# Allegro board 1155001-Timing_board_V3_20241024_1805_pcb.brd (continued)
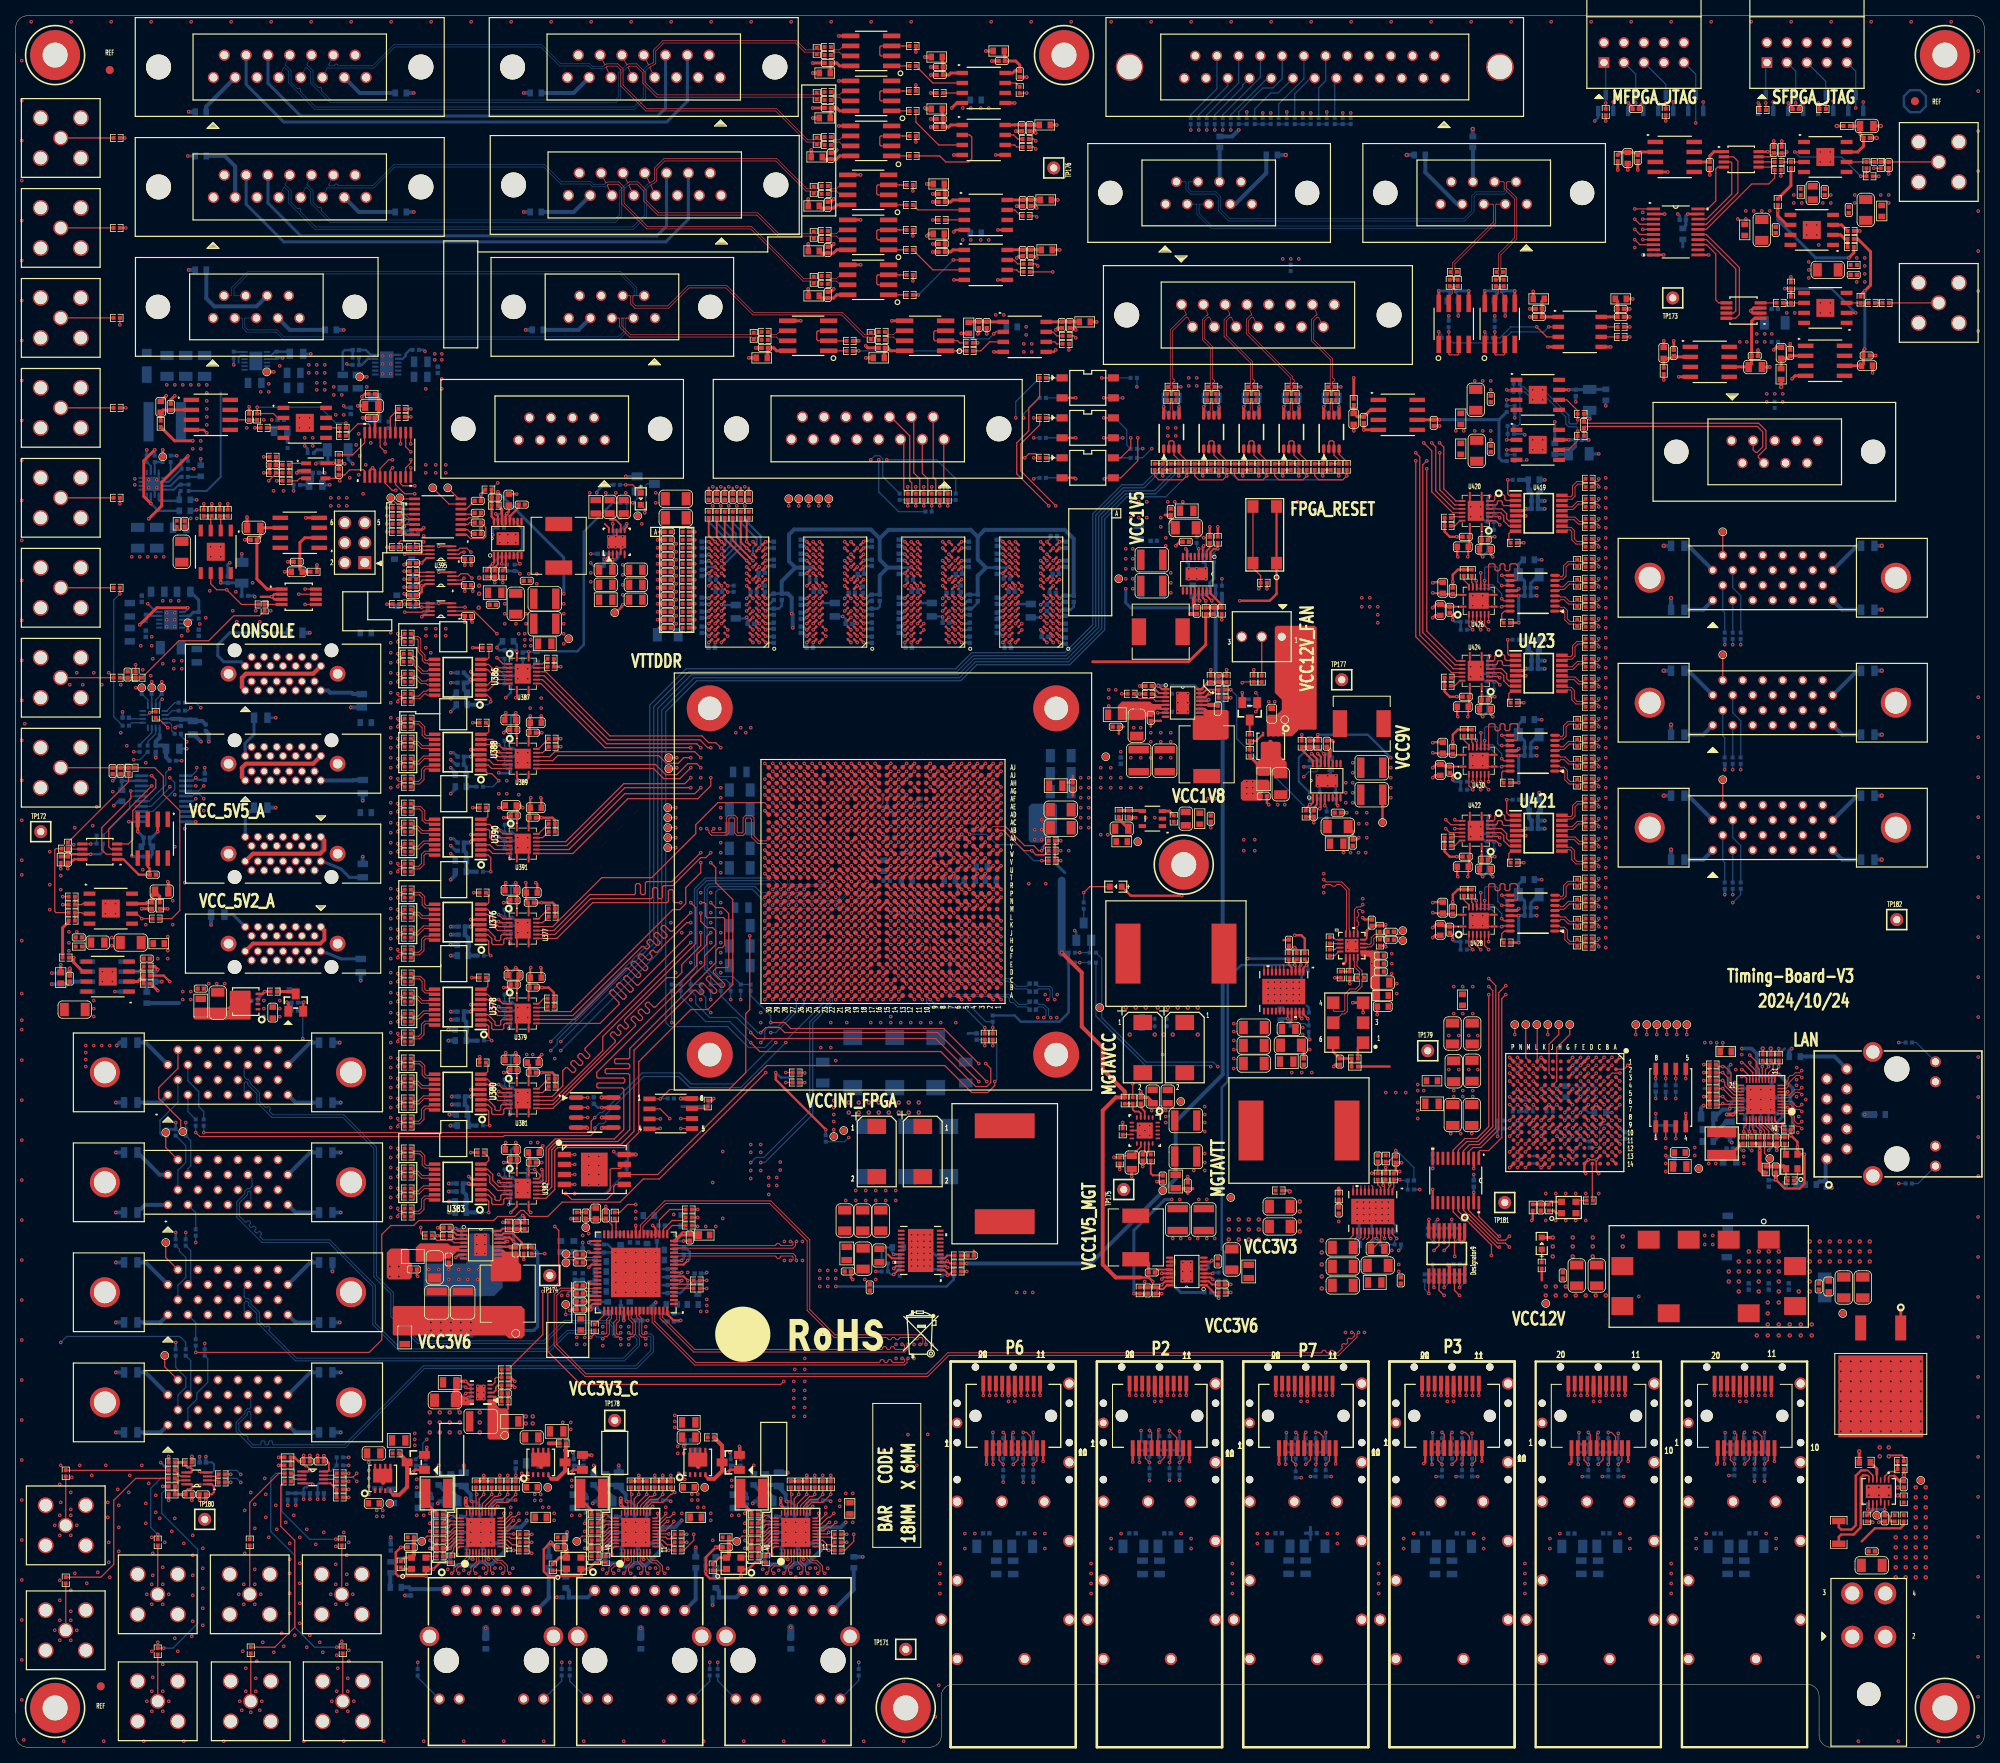
[diagram p0: board, top side]
## Routing (per net, layer and track width the routed paths; a pad name or vN(x,y) marks a point on that pad's centre or on a via; arc(x,y) is an arc through that point) (continued)
N23571891: length 4.3
  TOP w0.305: R2761.2 49.35,24.09 U375.4
  TOP w0.508: L426.1 C2864.1 50.57,24.4 U375.4
N23572053: length 1.4
  TOP w0.305: U375.1 49.09,22.64 R2761.1
N23572119: length 1.4
  TOP w0.157: U375.3 52.27,24.26 R2762.1
N23774745: length 3.9
  TOP w0.157: v1(60.33,100.58) 60.07,100.84 60.07,102.4 59.91,102.56 U376.1
  BOTTOM w0.157: R2876.2 v1(60.33,100.58)
N23774747: length 4.8
  TOP w0.122: U376.15 52.67,103.21 52.51,103.05 51.91,103.05 51.52,102.66 51.52,101.37 51.15,101 50.53,101 R2877.1
N23774819: length 2.5
  TOP w0.157: R2873.2 60.07,108.22 60.07,107.31 59.87,107.11 U376.8
N23774821: length 4.8
  TOP w0.122: R2878.1 50.53,100.67 51.29,100.67 51.85,101.23 51.85,102.52 52.05,102.72 52.47,102.72 52.63,102.56 U376.16
N23774825: length 3.5
  TOP w0.157: v1(61.34,105.79) 61.87,105.26 U377.2
  BOTTOM w0.157: v1(61.34,105.79) 61.7,105.79 R2884.1 R2874.1
N23774827: length 3.3
  TOP w0.157: U377.3 61.48,104.77 v1(61.34,104.9)
  BOTTOM w0.157: v1(61.34,104.9) 61.58,104.9 R2887.1 R2875.1
N23774855: length 3.6
  TOP w0.122: R2879.1 50.53,103.21 51.1,103.21 51.91,104.02 52.44,104.02 52.6,103.86 U376.14
N23774882: length 3.6
  TOP w0.122: R2880.1 50.53,103.54 50.97,103.54 51.77,104.35 52.54,104.35 52.7,104.51 U376.13
N23774946: length 3.4
  TOP w0.122: U376.11 52.6,105.81 52.44,105.65 51.66,105.65 51.23,106.08 50.53,106.08 R2881.1
N23774966: length 3.4
  TOP w0.122: U376.12 52.62,105.16 52.46,105.32 51.52,105.32 51.09,105.75 50.53,105.75 R2882.1
N23775041: length 2.1
  TOP w0.157: R2883.1 66.38,105.26 U377.15
N23775087: length 1.9
  TOP w0.157: U377.14 66.9,104.77 R2886.1
N23775717: length 3.8
  TOP w0.157: v1(60.2,78.99) 60.07,79.12 60.07,80.81 59.91,80.97 U380.1
  BOTTOM w0.157: R2905.2 v1(60.2,78.99)
N23775743: length 2.2
  TOP w0.157: U380.8 59.61,85.52 59.94,85.85 59.94,86.76 R2907.2
N23776190: length 3.5
  TOP w0.157: U381.2 61.87,83.67 v1(61.34,84.2)
  BOTTOM w0.157: v1(61.34,84.2) 61.7,84.2 R2918.1 R2915.1
N23776192: length 3.3
  TOP w0.157: U381.3 61.48,83.18 v1(61.34,83.31)
  BOTTOM w0.157: v1(61.34,83.31) 61.58,83.31 R2920.1 R2916.1
N23776318: length 2.1
  TOP w0.157: R2917.1 66.38,83.67 U381.15
N23776347: length 1.9
  TOP w0.157: U381.14 66.9,83.18 R2919.1
N23776905: length 3.4
  TOP w0.157: v1(60.07,67.94) 60.07,69.38 59.91,69.54 U383.1
  BOTTOM w0.157: R2925.2 v1(60.07,67.94)
N23776910: length 2.5
  TOP w0.157: U383.8 59.61,74.09 60.07,74.55 60.07,74.95 R2924.2
N23776913: length 3.5
  TOP w0.157: U382.2 61.87,72.24 v1(61.34,72.77)
  BOTTOM w0.157: R2921.1 R2923.1 61.72,72.39 v1(61.34,72.77)
N23776914: length 3.3
  TOP w0.157: U382.3 61.48,71.75 v1(61.34,71.88)
  BOTTOM w0.157: R2922.1 R2926.1 61.85,71.37 v1(61.34,71.88)
N23776943: length 2.7
  TOP w0.157: U382.15 66.38,72.24 66.6,72.46 66.6,72.72 v1(65.91,73.41)
  BOTTOM w0.157: R2927.1 65.89,73.43 v1(65.91,73.41)
N23776952: length 3.1
  TOP w0.157: v1(66.8,73.41) 66.95,73.25 66.95,72.03 66.66,71.75 U382.14
  BOTTOM w0.157: R2929.1 v1(66.8,73.41)
N23781685: length 3.1
  TOP w0.157: v1(60.33,132.84) 60.33,133.22 59.87,133.68 U386.1
  BOTTOM w0.157: R2955.2 59.94,132.46 v1(60.33,132.84)
N23781690: length 2.4
  TOP w0.157: R2954.2 60.09,138.45 59.87,138.23 U386.8
N23781693: length 4.1
  TOP w0.157: v1(61.11,138.43) 61.89,137.65 U387.2
  BOTTOM w0.157: R2963.1 R2958.1 61.96,138.43 v1(61.11,138.43)
N23781694: length 4
  TOP w0.157: U387.3 v1(61.11,137.15)
  BOTTOM w0.157: v1(61.11,137.15) 62.08,136.17 R2966.1 R2953.1
N23781723: length 1.7
  TOP w0.157: U387.15 66.89,137.65 R2967.1
N23781732: length 1.5
  TOP w0.157: R2965.1 67.41,137.15 U387.14
N23781751: length 5.2
  TOP w0.157: U388.1 59.49,124.15 59.94,123.7 60.45,123.7 v1(61.34,122.81)
  BOTTOM w0.157: R2969.2 60.58,122.05 v1(61.34,122.81)
N23781756: length 2.4
  TOP w0.157: U388.8 59.74,128.7 60.07,129.03 60.07,129.81 R2971.2
N23781795: length 3.5
  TOP w0.157: v1(61.34,127.38) 61.87,126.85 U389.2
  BOTTOM w0.157: R2977.1 R2983.1 61.85,126.87 v1(61.34,127.38)
N23781796: length 3.4
  TOP w0.157: v1(61.34,126.49) 61.48,126.36 U389.3
  BOTTOM w0.157: R2978.1 R2984.1 61.98,125.86 v1(61.34,126.49)
N23781813: length 2.1
  TOP w0.157: R2982.1 66.38,126.85 U389.15
N23781823: length 1.9
  TOP w0.157: U389.14 66.9,126.36 R2981.1
N23781828: length 4.2
  TOP w0.157: v1(60.33,111.25) 60.33,113.03 60,113.36 U390.1
  BOTTOM w0.157: v1(60.33,111.25) R2987.2
N23781833: length 2.2
  TOP w0.157: U390.8 59.61,117.91 59.94,118.24 59.94,119.15 R2986.2
N23781901: length 3.5
  TOP w0.157: U391.2 61.87,116.06 v1(61.34,116.59)
  BOTTOM w0.157: R2995.1 R3000.1 61.7,116.59 v1(61.34,116.59)
N23781902: length 3.3
  TOP w0.157: v1(61.34,115.7) 61.48,115.56 U391.3
  BOTTOM w0.157: R2996.1 R2999.1 61.85,115.19 v1(61.34,115.7)
N23781927: length 2.1
  TOP w0.157: U391.15 66.38,116.06 R2998.1
N23781934: length 1.9
  TOP w0.157: U391.14 66.9,115.56 R2997.1
N23784228: length 3.5
  TOP w0.122: R2956.1 50.18,133.71 50.34,133.55 51.17,133.55 51.79,134.17 52.11,134.17 52.27,134.33 U386.15
N23784248: length 3.5
  TOP w0.122: R2957.1 50.57,133.22 51.31,133.22 51.92,133.84 52.11,133.84 52.27,133.68 U386.16
N23784268: length 3.5
  TOP w0.122: R2959.1 50.57,135.76 50.84,135.76 51.47,135.14 52.11,135.14 52.27,134.98 U386.14
N23784288: length 3.5
  TOP w0.122: R2960.1 50.18,136.25 50.34,136.09 50.98,136.09 51.6,135.47 52.11,135.47 52.27,135.63 U386.13
N23784308: length 4.6
  TOP w0.122: U386.11 52.47,136.93 52.27,136.73 51.74,136.73 51,137.46 51,138.25 50.68,138.57 50.42,138.57 R2961.1
N23784328: length 4.6
  TOP w0.122: R2962.1 50.06,138.07 50.23,138.24 50.54,138.24 50.67,138.12 50.67,137.33 51.6,136.4 52.45,136.4 52.57,136.28 U386.12
N23784348: length 5.7
  TOP w0.122: U386.10 52.47,137.58 52.28,137.76 51.95,137.76 51.64,138.07 51.64,138.65 51.1,139.18 51.1,140.68 50.98,140.8 50.53,140.8 R2964.1
N23784368: length 5.7
  TOP w0.122: R2968.1 50.53,141.14 51.12,141.14 51.44,140.82 51.44,139.32 51.97,138.79 51.97,138.21 52.09,138.09 52.31,138.09 52.45,138.23 U386.9
N23785830: length 4.7
  TOP w0.122: R2970.1 50.53,122.72 51.15,122.72 51.52,123.09 51.52,124.25 51.91,124.64 52.51,124.64 52.67,124.8 U388.15
N23785850: length 4.7
  TOP w0.122: R2972.1 50.53,122.39 51.29,122.39 51.85,122.95 51.85,124.11 52.05,124.31 52.47,124.31 52.63,124.15 U388.16
N23785870: length 3.5
  TOP w0.122: U388.14 52.6,125.45 52.44,125.61 51.91,125.61 51.23,124.93 50.53,124.93 R2973.1
N23785890: length 3.5
  TOP w0.122: R2974.1 50.53,125.26 51.09,125.26 51.77,125.94 52.54,125.94 52.7,126.1 U388.13
N23785910: length 3.5
  TOP w0.122: R2975.1 50.53,127.8 51.1,127.8 51.66,127.24 52.44,127.24 52.6,127.4 U388.11
N23785930: length 3.5
  TOP w0.122: U388.12 52.62,126.75 52.46,126.91 51.52,126.91 50.97,127.47 50.53,127.47 R2976.1
N23785950: length 4.5
  TOP w0.122: R2979.1 50.53,130.01 51.13,130.01 51.61,129.53 51.61,128.6 52,128.21 52.51,128.21 52.67,128.05 U388.10
N23785970: length 4.5
  TOP w0.122: U388.9 52.63,128.7 52.47,128.54 52.14,128.54 51.94,128.74 51.94,129.67 51.27,130.34 50.53,130.34 R2980.1
N23786150: length 4.7
  TOP w0.122: R2985.1 50.53,111.93 51.15,111.93 51.52,112.29 51.52,113.46 51.91,113.85 52.51,113.85 52.67,114.01 U390.15
N23786170: length 4.7
  TOP w0.122: R2988.1 50.53,111.59 51.29,111.59 51.85,112.16 51.85,113.32 52.05,113.52 52.47,113.52 52.63,113.36 U390.16
N23786190: length 3.5
  TOP w0.122: U390.14 52.6,114.66 52.44,114.82 51.91,114.82 51.23,114.13 50.53,114.13 R2989.1
N23786210: length 3.5
  TOP w0.122: U390.13 52.7,115.31 52.54,115.15 51.77,115.15 51.09,114.47 50.53,114.47 R2990.1
N23786230: length 3.5
  TOP w0.122: R2991.1 50.53,117.01 51.1,117.01 51.66,116.45 52.44,116.45 52.6,116.61 U390.11
N23786250: length 3.5
  TOP w0.122: R2992.1 50.53,116.67 50.97,116.67 51.52,116.12 52.46,116.12 52.62,115.96 U390.12
N23786270: length 4.6
  TOP w0.122: U390.10 52.67,117.26 52.51,117.42 52,117.42 51.61,117.81 51.61,118.87 51.27,119.21 50.53,119.21 R2993.1
N23786290: length 4.6
  TOP w0.122: R2994.1 50.53,119.55 51.41,119.55 51.94,119.01 51.94,117.94 52.14,117.75 52.47,117.75 52.63,117.91 U390.9
N23999473: length 4.5
  TOP w0.122: U376.10 52.67,106.46 52.51,106.62 52,106.62 51.61,107.01 51.61,107.95 51.27,108.29 50.53,108.29 R2890.1
N23999493: length 4.5
  TOP w0.122: U376.9 52.63,107.11 52.47,106.95 52.14,106.95 51.94,107.15 51.94,108.09 51.41,108.62 50.53,108.62 R2892.1
N24000382: length 4.7
  TOP w0.122: U380.15 52.67,81.62 52.51,81.46 51.91,81.46 51.52,81.07 51.52,79.91 51.15,79.54 50.53,79.54 R2911.1
N24000402: length 4.7
  TOP w0.122: R2912.1 50.53,79.21 51.29,79.21 51.85,79.77 51.85,80.93 52.05,81.13 52.47,81.13 52.63,80.97 U380.16
N24000422: length 3.5
  TOP w0.122: R2913.1 50.53,81.75 51.23,81.75 51.91,82.43 52.44,82.43 52.6,82.27 U380.14
N24000442: length 3.5
  TOP w0.122: R2914.1 50.53,82.08 51.09,82.08 51.77,82.76 52.54,82.76 52.7,82.92 U380.13
N24000792: length 3.5
  TOP w0.122: U380.11 52.6,84.22 52.44,84.06 51.66,84.06 51.1,84.62 50.53,84.62 R2928.1
N24000812: length 3.5
  TOP w0.122: U380.12 52.62,83.57 52.46,83.73 51.52,83.73 50.97,84.29 50.53,84.29 R2930.1
N24000832: length 4.6
  TOP w0.122: R2933.1 50.53,86.83 51.27,86.83 51.61,86.49 51.61,85.42 52,85.03 52.51,85.03 52.67,84.87 U380.10
N24000852: length 4.6
  TOP w0.122: R2934.1 50.53,87.16 51.41,87.16 51.94,86.62 51.94,85.56 52.14,85.36 52.47,85.36 52.63,85.52 U380.9
N24000994: length 4.7
  TOP w0.122: R2935.1 50.53,68.11 51.15,68.11 51.52,68.48 51.52,69.64 51.91,70.03 52.51,70.03 52.67,70.19 U383.15
N24001014: length 4.7
  TOP w0.122: U383.16 52.63,69.54 52.47,69.7 52.05,69.7 51.85,69.5 51.85,68.34 51.29,67.78 50.53,67.78 R2936.1
N24001309: length 3.5
  TOP w0.122: R2939.1 50.53,70.32 51.23,70.32 51.91,71 52.44,71 52.6,70.84 U383.14
N24001329: length 3.5
  TOP w0.122: U383.13 52.7,71.49 52.54,71.33 51.77,71.33 51.09,70.65 50.53,70.65 R2941.1
N24001349: length 3.5
  TOP w0.122: R2947.1 50.53,73.19 51.1,73.19 51.66,72.63 52.44,72.63 52.6,72.79 U383.11
N24001369: length 3.5
  TOP w0.122: U383.12 52.62,72.14 52.46,72.3 51.52,72.3 50.97,72.86 50.53,72.86 R2948.1
N24001389: length 4.6
  TOP w0.122: R2951.1 50.53,75.4 51.27,75.4 51.61,75.06 51.61,73.99 52,73.6 52.51,73.6 52.67,73.44 U383.10
N24001409: length 4.6
  TOP w0.122: R2952.1 50.53,75.73 51.41,75.73 51.94,75.19 51.94,74.13 52.14,73.93 52.47,73.93 52.63,74.09 U383.9
N24069995: length 0.9
  TOP w0.381: TP86.1 v1(32.77,174.75)
N24070041: length 1.4
  BOTTOM w0.229: U239.6 27.72,177.27 R1894.1
N24347278: length 2.8
  TOP w0.157: U318.5 v1(9.53,114.77)
  BOTTOM w0.157: v1(9.53,114.77) 9.57,114.81 R3023.2 R3024.2
N24830320: length 2.3
  TOP w0.254: v1(51.56,143.64) 51.78,143.85 U396.8
  BOTTOM w0.381: C2950.1 52.32,144.4 v1(51.56,143.64)
N24830398: length 4.7
  TOP w0.157: U396.5 51.37,145.35 51.26,145.24 R3031.2 50.84,145.61 50.66,145.8 49.24,145.8 R3032.2
N24830787: length 2.8
  TOP w0.254: U395.8 52.03,147.79 51.82,147.57 v1(51.56,147.57)
  TOP w0.305: v1(51.56,147.57) 51.56,146.81 51.13,146.38 C2948.1
N24830879: length 1.8
  TOP w0.157: R3029.2 50.98,149.29 U395.5
N24945522: length 4
  TOP w0.381: U402.8 96.64,177.43 96.27,177.8 C2969.2 95.52,177.12 95.44,177.04 L459.1
N24945564: length 6.4
  TOP w0.157: R3055.1 103.25,178.69 U402.2 101.88,178.7 101.73,178.86 101.73,179.81 101.88,179.97 U402.3
N24945602: length 2.9
  TOP w0.089: R3056.1 95.89,179.18 96.61,179.18 97.09,178.7 U402.7
N24945608: length 2.9
  TOP w0.089: U402.6 97.1,179.97 96.6,179.47 95.89,179.47 R3057.1
N24945685: length 2.3
  TOP w0.157: U402.1 105.51,177.43 R3059.2
N24946708: length 4.4
  TOP w0.381: L460.1 121.11,181.12 C2970.2 C2971.1 123.34,181.1 U403.1
N24947715: length 2.3
  TOP w0.157: R3060.2 132.21,179.32 131.7,179.83 U403.7
N24947747: length 4.2
  TOP w0.381: U403.8 132.82,181.1 C2973.1 C2972.2 135.04,181.12 L461.2
N24948557: length 4
  TOP w0.381: U404.8 111.12,177.43 110.74,177.8 C2974.2 110.38,177.31 110.3,177.23 L462.1
N24948585: length 6.9
  TOP w0.157: R3061.1 119.89,178.44 119.62,178.7 U404.2 116.74,178.7 116.59,178.86 116.59,179.81 116.74,179.97 U404.3
N24948629: length 2.9
  TOP w0.089: U404.7 111.95,178.7 111.47,179.18 110.74,179.18 R3062.1
N24948635: length 2.9
  TOP w0.089: U404.6 111.96,179.97 111.46,179.47 110.74,179.47 R3063.1
N24948700: length 2.7
  TOP w0.157: R3065.2 120.75,177.43 U404.1
N24949994: length 2.2
  TOP w0.157: R3066.2 132.21,178.31 131.95,178.56 U403.6
N24950313: length 3.9
  TOP w0.381: U405.8 104.66,202.19 104.25,201.78 C2975.2 102.7,201.78 L463.1
N24950341: length 6.4
  TOP w0.157: R3067.1 112.65,204.72 112.64,204.73 U405.3 109.89,204.73 109.73,204.58 109.73,203.62 109.89,203.46 U405.2
N24950385: length 2.9
  TOP w0.089: U405.7 105.09,203.46 104.61,203.94 103.89,203.94 R3068.1
N24950391: length 2.9
  TOP w0.089: R3069.1 103.89,204.24 104.6,204.24 105.1,204.73 U405.6
N24950456: length 2.3
  TOP w0.157: U405.1 113.51,202.19 R3071.2
N24951641: length 4
  TOP w0.381: U406.8 104.64,207.91 104.27,208.28 C2976.2 103.52,207.79 103.44,207.71 L464.1
N24951666: length 6.4
  TOP w0.157: U406.2 109.89,209.18 109.73,209.34 109.73,210.29 109.89,210.45 U406.3 112.64,210.45 112.65,210.44 R3072.1
N24951710: length 2.9
  TOP w0.089: R3073.1 103.89,209.66 104.61,209.66 105.09,209.18 U406.7
N24951716: length 2.9
  TOP w0.089: U406.6 105.1,210.45 104.6,209.95 103.89,209.95 R3074.1
N24951769: length 2.3
  TOP w0.157: U406.1 113.51,207.91 R3076.2
N24952037: length 4
  TOP w0.381: U407.8 104.64,213.62 104.27,214 C2977.2 103.52,213.51 103.44,213.42 L465.1
N24952076: length 6.4
  TOP w0.157: U407.2 109.89,214.89 109.73,215.05 109.73,216.01 109.89,216.16 U407.3 112.64,216.16 112.65,216.15 R3077.1
N24952108: length 2.9
  TOP w0.089: R3078.1 103.89,215.37 104.61,215.37 105.09,214.89 U407.7
N24952118: length 2.9
  TOP w0.089: U407.6 105.1,216.16 104.6,215.67 103.89,215.67 R3079.1
N24952169: length 2.3
  TOP w0.157: U407.1 113.51,213.62 R3081.2
N24954635: length 4.9
  TOP w0.381: L466.1 117.67,207.45 117.75,207.37 C2978.2 C2979.1 118.49,205.87 118.74,206.12 U408.1
N24954677: length 2.4
  TOP w0.157: R3082.2 127.25,204.34 126.75,204.85 U408.7
N24954693: length 4.3
  TOP w0.381: U408.8 126.85,206.12 126.87,206.14 C2981.1 C2980.2 129.41,206.14 129.43,206.12 L467.2
N24954777: length 2.3
  TOP w0.157: R3083.2 127.13,203.33 126.87,203.58 125.66,203.58
N24955324: length 4.9
  TOP w0.381: L468.1 117.67,214.06 117.75,213.98 C2982.2 C2983.1 118.49,212.47 118.74,212.72 U409.1
N24955375: length 2.1
  TOP w0.157: 125.66,211.46 127.02,211.46 R3084.2
N24955394: length 6.1
  TOP w0.381: L469.2 125.54,214.95 125.62,214.86 C2984.2 127,214.25 127.51,213.74 C2985.1 126.89,213 126.62,212.72 U409.8
N24958005: length 3.9
  TOP w0.381: U410.8 104.28,184.54 103.87,184.13 C2986.2 102.32,184.13 L470.1
N24958030: length 6.4
  TOP w0.157: U410.2 109.5,185.81 109.35,185.97 109.35,186.92 109.5,187.08 U410.3 112.26,187.08 112.27,187.07 R3085.1
N24958074: length 2.9
  TOP w0.089: R3086.1 103.5,186.29 104.23,186.29 104.71,185.81 U410.7
N24958080: length 2.9
  TOP w0.089: R3087.1 103.5,186.58 104.22,186.58 104.72,187.08 U410.6
N24958133: length 2.3
  TOP w0.157: U410.1 113.13,184.54 R3089.2
N24958168: length 3.9
  TOP w0.381: L471.1 102.32,189.85 C2987.2 103.87,189.85 104.28,190.26 U411.8
N24958193: length 6.4
  TOP w0.157: U411.2 109.5,191.53 109.35,191.68 109.35,192.64 109.5,192.8 U411.3 112.26,192.8 112.27,192.79 R3090.1
N24958225: length 2.9
  TOP w0.089: R3091.1 103.5,192 104.23,192 104.71,191.53 U411.7
N24958243: length 2.9
  TOP w0.089: U411.6 104.72,192.8 104.22,192.3 103.5,192.3 R3092.1
N24958284: length 2.3
  TOP w0.157: R3094.2 113.13,190.26 U411.1
N24958325: length 3.9
  TOP w0.381: L472.1 102.32,195.56 C2988.2 103.87,195.56 104.28,195.97 U412.8
N24958352: length 6.4
  TOP w0.157: U412.2 109.5,197.24 109.35,197.4 109.35,198.35 109.5,198.51 U412.3 112.26,198.51 112.27,198.5 R3095.1
N24958384: length 2.9
  TOP w0.089: R3096.1 103.5,197.72 104.23,197.72 104.71,197.24 U412.7
N24958406: length 2.9
  TOP w0.089: U412.6 104.72,198.51 104.22,198.01 103.5,198.01 R3097.1
N24958445: length 2.3
  TOP w0.157: U412.1 113.13,195.97 R3099.2
N24959793: length 4.9
  TOP w0.381: U413.1 119,190.25 118.74,189.99 C2989.2 C2990.1 118,191.5 117.92,191.58 L473.1
N24959833: length 2.3
  TOP w0.157: U413.7 126.75,188.98 127.25,188.47 R3100.2
N24959849: length 4.3
  TOP w0.381: U413.8 125.93,190.27 C2992.1 C2991.2 130.22,190.27 L474.2
N24959921: length 2.2
  TOP w0.157: R3101.2 127.38,187.45 127.13,187.71 U413.6
N24959959: length 4.9
  TOP w0.381: L475.1 117.92,197.93 118,197.85 C2994.1 C2993.2 118.74,196.34 119,196.6 U414.1
N24960011: length 2.3
  TOP w0.157: U414.7 126.87,195.33 127.64,194.56 R3102.2
N24960025: length 4.2
  TOP w0.381: U414.8 127.87,196.6 C2996.1 C2995.2 130.09,196.62 L476.2
N24960672: length 2.5
  TOP w0.157: R3103.1 U414.3
N24960986: length 2.5
  TOP w0.157: R3104.1 U409.3
N24962620: length 2.2
  TOP w0.157: U395.7 51.63,148.29 50.84,147.51 R3106.1
N24989224: length 2.9
  TOP w0.157: U415.3 24.77,156.32 R3109.1 R3108.1
N24992417:
  vias: v1(24.77,152.53) v1(24.77,151.26) v1(26.04,152.53) v1(26.04,151.26)
N24992809: length 2
  TOP w0.157: R3141.1 C2929.2 R2345.2
N24992839: length 6.7
  TOP w0.157: J96.1 R2345.1
N24995720: length 6.7
  TOP w0.157: J63.1 R1908.1
N24996237: length 6.7
  TOP w0.157: R3025.1 J105.1
N24998357: length 2.9
  TOP w0.157: U415.2 26.04,156.32 R3111.2 R3110.2
N24998930: length 5.5
  TOP w0.381: U415.7 v1(26.04,147.96)
  BOTTOM w0.381: v1(26.04,147.96) 26.9,147.96 C3000.2 28.67,147.94 C2999.1 28.72,147.88 28.72,146.34 L478.2
N24999870: length 6.7
  TOP w0.157: R2344.1 J95.1
N25002912: length 10.6
  TOP w0.157: R2368.2 5.11,114.17 4.95,114.02 4.95,106.2 5.11,106.05 R3112.1
N25002968: length 2.9
  TOP w0.157: R3113.1 R3112.2 8.38,106.05 8.51,105.92 U305.3
N25003082: length 2.9
  TOP w0.157: R3114.1 R3115.2 8.38,107.06 8.51,107.19 U305.2
N25003135: length 16.8
  TOP w0.157: R3117.2 v1(16,105.28) 15.37,105.92 U305.6 ; v1(5.97,108.08) R3114.2
  ART03 w0.117: v1(16,105.28) 6.1,105.28 5.46,105.92 5.46,107.57 v1(5.97,108.08)
N25004464: length 5.7
  TOP w0.381: L322.2 18.29,108.12 C2558.1 17.27,108.29 C2557.2 16.66,107.33 16.51,107.19 U305.7
N25007589:
  vias: v1(11.39,107.19) v1(11.39,105.92) v1(12.66,107.19) v1(12.66,105.92)
N25011323: length 10.7
  TOP w0.381: v1(16.89,156.08) 18.54,157.73 18.54,160.74 v1(21.86,164.06)
  BOTTOM w0.305: R3150.1 v1(21.86,164.06)
N25011652: length 3.9
  BOTTOM w0.254: R3150.2 R3151.1 19.41,160.78 U392.6
N25011715: length 2.6
  BOTTOM w0.254: U392.5 19.17,161.28 19.68,161.8 R3118.1
N25011744: length 1.5
  BOTTOM w0.254: U392.2 17.15,162.79 R3119.2
N25011968: length 2.7
  BOTTOM w0.254: U392.7 19.69,160.28 20.83,161.42 R3120.1
N25011973: length 1.7
  BOTTOM w0.254: R3120.2 23.43,161.42 C3005.2
N25013372: length 2.3
  BOTTOM w0.254: U392.3 17.65,163.3 R3121.2
  BOTTOM w0.305: R3122.1 R3121.2
N25013383: length 1.6
  TOP w0.381: TP183.1 v1(18.67,164.85)
  BOTTOM w0.305: R3122.2 v1(18.67,164.85)
N25013720: length 4.5
  BOTTOM w0.254: 18.29,158.37 18.15,158.51 U392.9
  BOTTOM w0.305: R3123.2 20.76,159.43 C3007.1 20.64,158.37 18.29,158.37
N25014909: length 3.4
  BOTTOM w0.254: R3124.2 R3123.1 20.72,160.42 20.08,159.78 U392.8
N25019086: length 3.2
  BOTTOM w0.203: 32.64,177.04 32.42,176.82 U239.8
  BOTTOM w0.254: R1895.1 32.91,177.31 32.64,177.04
  BOTTOM w0.305: R1895.1 34.52,177.31 C2110.1
N25024642: length 2.2
  TOP w0.157: U323.4 R3126.2
N25029852: length 5
  BOTTOM w0.508: L482.2 16.64,96.96 C3008.1 16.24,97.36 C3009.2 U416.2
N25031952:
  vias: v1(11.01,98.55) v1(11.01,97.28) v1(12.28,98.55) v1(12.28,97.28)
N25032467: length 3.2
  TOP w0.381: U417.2 15.47,97.28 R3127.1 R3128.2
N25032584: length 17.1
  TOP w0.381: R3130.1 v1(7.37,100.33) 7.37,99.71 8.53,98.55 U417.6 ; v1(18.03,96.14) 17.14,97.03 R3128.1
  ART08 w0.381: v1(18.03,96.14) 13.84,100.33 v1(7.37,100.33)
N25032783: length 2.1
  TOP w0.157: U417.3 15.6,98.55 R3129.1
N25067068: length 8
  TOP w0.381: v1(21.84,144.78) 17.91,144.78 v1(15.75,142.62)
  BOTTOM w0.254: U321.6 21.45,144.26 21.72,144.53
  BOTTOM w0.305: 21.72,144.53 21.84,144.65 v1(21.84,144.78)
N25067815: length 1.8
  BOTTOM w0.254: U321.4 17.53,143.76
  BOTTOM w0.305: R3131.1 17.13,143.91 17.28,143.76 17.53,143.76
N25068007: length 5.3
  BOTTOM w0.254: U321.7 21.84,143.76
  BOTTOM w0.381: C2591.1 23.24,145.76 R2440.1 22.55,144.21 22.09,143.76 21.84,143.76
N25068174: length 1
  TOP w0.305: TP158.1 v1(21.84,141.86)
N25591652: length 1.4
  TOP w0.157: U245.14 166.9,102.1 R3152.2
N25591661: length 1.5
  TOP w0.157: U245.13 167.65,102.6 167.33,102.93 R3152.1
N25591782: length 1.4
  TOP w0.157: R2772.1 167.53,101.37 167.77,101.6 U245.15
N25594608: length 4.1
  BOTTOM w0.508: J112.1 214.32,144.53 R3153.1
N25594612: length 4.9
  BOTTOM w0.508: R3154.1 212.42,152.65 J112.14
N25594778: length 4.1
  BOTTOM w0.157: J112.3 R3155.1
N25594784: length 3
  TOP w0.157: TP184.1 216.79,151.45
N25594820: length 6.1
  BOTTOM w0.157: R3158.1 217.04,144.15 216.79,144.4 216.79,147.63
N25594838: length 4.1
  BOTTOM w0.508: R3157.1 231.96,144.53 J112.13
N25594844: length 4.9
  BOTTOM w0.508: R3159.1 233.86,152.65 J112.26
N25594869: length 8.3
  BOTTOM w0.157: R3156.1 219.07,146.3 218.06,147.32 J112.16
N25595480: length 4.1
  BOTTOM w0.508: R3160.1 214.32,112.78 J113.1
N25595484: length 4.9
  BOTTOM w0.508: J113.14 212.42,120.9 R3161.1
N25595639: length 4.1
  BOTTOM w0.157: J113.3 R3162.1
N25595653: length 3.2
  TOP w0.157: 216.79,119.7 TP185.1
N25595689: length 6.1
  BOTTOM w0.157: R3164.1 217.04,112.39 216.79,112.65 216.79,115.88
N25595707: length 4.1
  BOTTOM w0.508: J113.13 231.96,112.78 R3165.1
N25595713: length 4.9
  BOTTOM w0.508: J113.26 233.86,120.9 R3166.1
N25595734: length 8.3
  BOTTOM w0.157: R3163.1 219.07,114.55 218.06,115.57 J113.16
N25596166: length 4.1
  BOTTOM w0.508: J114.1 214.32,128.65 R3167.1
N25596170: length 4.9
  BOTTOM w0.508: J114.14 212.42,136.78 R3168.1
N25596333: length 4.1
  BOTTOM w0.157: J114.3 R3169.1
N25596347: length 3.2
  TOP w0.157: 216.79,135.58 TP186.1
N25596375: length 6.1
  BOTTOM w0.157: 216.79,131.75 216.79,128.52 217.04,128.27 R3171.1
N25596393: length 4.1
  BOTTOM w0.508: J114.13 231.96,128.65 R3172.1
N25596411: length 4.9
  BOTTOM w0.508: J114.26 233.86,136.78 R3173.1
N25596429: length 8.3
  BOTTOM w0.157: J114.16 218.06,131.44 219.07,130.43 R3170.1
N25598763: length 3.6
  TOP w0.157: P8.9 222.56,36.45 v1(222.1,35.99)
  BOTTOM w0.157: R3178.2 v1(222.1,35.99) R3176.1
N25599058: length 3.4
  TOP w0.157: v1(220.83,35.99) 220.96,36.12 P8.7
  BOTTOM w0.157: R3177.2 v1(220.83,35.99) R3175.1
N25599109: length 3.6
  TOP w0.157: v1(218.29,35.99) 217.76,36.52 P8.3
  BOTTOM w0.157: R3174.2 v1(218.29,35.99) R3182.2
N25600897: length 3.7
  TOP w0.157: P9.9 203.98,36.4 v1(203.52,35.94)
  BOTTOM w0.157: R3187.1 v1(203.52,35.94) R3189.2
N25601195: length 3.6
  TOP w0.157: v1(202.25,35.94) 202.38,36.07 P9.7
  BOTTOM w0.157: R3188.2 v1(202.25,35.94) R3186.1
N25601246: length 3.8
  TOP w0.157: v1(199.71,35.94) 199.18,36.47 P9.3
  BOTTOM w0.157: R3193.2 v1(199.71,35.94) R3185.2
N25605816: length 3.5
  BOTTOM w0.157: R2783.1 22.86,53.96 J94.3
N25605818: length 5.4
  BOTTOM w0.157: R2784.1 22.23,63.1 22.23,59.13 J94.16
N25605828: length 4.1
  TOP w0.157: J94.15 19.05,62.22 TP149.1
N25605837: length 5
  BOTTOM w0.508: J94.14 16.5,61.6 R2328.1
N25605839: length 4.3
  BOTTOM w0.508: R2327.1 18.36,53.98 J94.1
N25605907: length 7.8
  BOTTOM w0.157: J94.2 20.6,58.7 21.59,59.69 21.59,62.23 20.77,63.05 20.77,63.28 R2329.1
N25605925: length 4.4
  BOTTOM w0.508: J94.13 35.55,53.97 R2330.1
N25605931: length 5.1
  BOTTOM w0.508: R2331.1 37.39,61.59 J94.26
N25607926: length 1.9
  TOP w0.157: U395.6 51.22,148.79 R3196.1
N25611612: length 2.1
  TOP w0.254: C2946.1 51.51,150.44 v1(51.56,150.5) 52.16,151.09 U394.8
N25611890: length 5.3
  TOP w0.157: R3028.2 48.69,153.08 48.89,153.29 50.52,153.29 50.67,153.13 50.67,152.65 R3027.2 50.96,152.59 U394.5
N25617244: length 31.4
  TOP w0.157: R2168.2 v1(47.12,155.45)
  ART08 w0.117: J84.2 70.58,164.59 62.36,164.59 54.36,156.59 48.73,156.59 47.59,155.45 v1(47.12,155.45)
  BOTTOM w0.157: R1924.2 47.12,155.72 v1(47.12,155.45)
N25617253: length 4.4
  TOP w0.157: U3.7 55.02,157.96 TP160.1
N25617255: length 2.3
  TOP w0.157: TP161.1 56.27,158.61 U3.8
N25617271: length 1.9
  TOP w0.157: TP163.1 48.91,158.61 U3.9
N25617273: length 3.4
  TOP w0.157: U3.10 49.68,157.96 49.61,158.04 48.34,158.04 TP162.1
N25617307: length 2.1
  TOP w0.157: R1922.2 48.83,157.31 U3.11
N25617309: length 2.1
  TOP w0.157: R1923.2 48.86,156.66 U3.12
N25617355: length 1.8
  TOP w0.157: C2251.2 57.64,155.6 57.4,155.36 U3.3
N25617371: length 5.5
  TOP w0.157: C2251.1 59.69,154.98 59.69,153.83 59.43,153.57 57.76,153.57 57.27,154.06 U3.1
N25617389: length 3
  TOP w0.157: U3.4 57.33,156.01 57.53,156.21 58.67,156.21 59.07,156.61 C2252.2
N25617405: length 1.8
  TOP w0.157: C2252.1 58.09,156.66 U3.5